# Altium PCB MIXR Power.PcbDoc (continued)
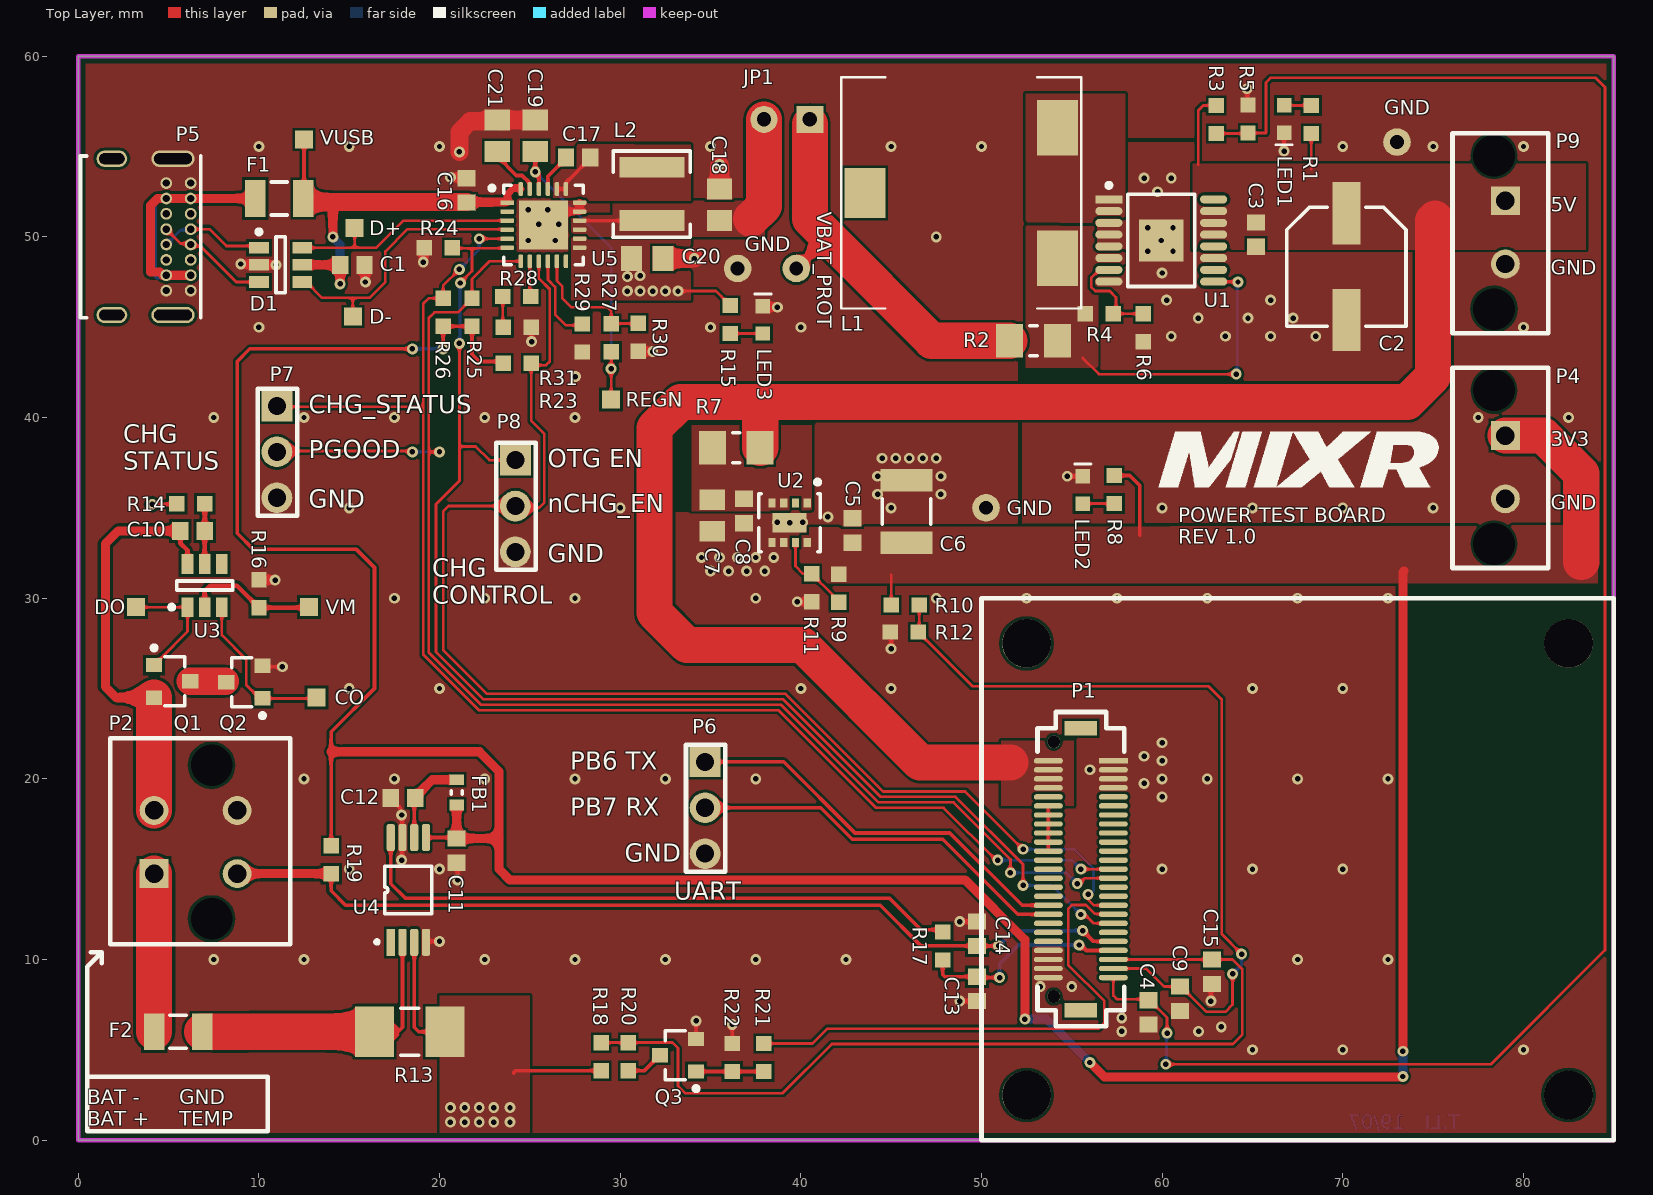
[diagram p0: Top Layer view]
## Part data (continued)
R4: Case/Package=0603, Case Code (Metric)=1608, Manufacturer=Vishay, Manufacturer Part Number=CRCW06031M54FKEA, Max Operating Temperature=155°C, Max Power Dissipation=100mW, Min Operating Temperature=-55°C, Package Quantity=10, Resistance=1.54M, Supplier Part Number 1=541-1.54MHCT-ND, Temperature Coefficient=100ppm/°C, Tolerance=1%, Voltage Rating=75V, Case Code (Imperial)=0603, ComponentLink1Description=https://datasheet.ciiva.com/7670/1697337-7670550.pdf?src-supplier=Element14, ComponentLink1URL=https://datasheet.ciiva.com/7670/1697337-7670550.pdf?src-supplier=Element14, ComponentLink2Description=https://datasheet.ciiva.com/7670/1697337-7670551.pdf?src-supplier=Element14, ComponentLink2URL=https://datasheet.ciiva.com/7670/1697337-7670551.pdf?src-supplier=Element14, ComponentLink3Description=https://datasheet.ciiva.com/5585/dcrcwe3-109170-5585144.pdf?src-supplier=Mouser, ComponentLink3URL=https://datasheet.ciiva.com/5585/dcrcwe3-109170-5585144.pdf?src-supplier=Mouser, ComponentLink4Description=https://datasheet.ciiva.com/22676/1700796-22676058.pdf?src-supplier=Element14, ComponentLink4URL=https://datasheet.ciiva.com/22676/1700796-22676058.pdf?src-supplier=Element14, ComponentLink5Description=https://datasheet.ciiva.com/22676/1847332-22676059.pdf?src-supplier=Element14, ComponentLink5URL=https://datasheet.ciiva.com/22676/1847332-22676059.pdf?src-supplier=Element14, ComponentLink6Description=https://datasheet.ciiva.com/2513/dcrcwe3-2513692.pdf?src-supplier=Digi-Key, ComponentLink6URL=https://datasheet.ciiva.com/2513/dcrcwe3-2513692.pdf?src-supplier=Digi-Key, ComponentLink7Description=https://datasheet.ciiva.com/2513/dcrcwe3-2513693.pdf?src-supplier=Digi-Key, ComponentLink7URL=https://datasheet.ciiva.com/2513/dcrcwe3-2513693.pdf?src-supplier=Digi-Key, ComponentLink8Description=https://datasheet.ciiva.com/2513/dcrcwe3-2513694.pdf?src-supplier=Digi-Key, ComponentLink8URL=https://datasheet.ciiva.com/2513/dcrcwe3-2513694.pdf?src-supplier=Digi-Key, Composition="Thick Film", Contact Plating=Tin, Depth=0.85mm, Features="Automotive AEC-Q200", Height=0.02inch, Lead Free="Lead Free", Length=1.55mm, Military Standard=Not, Number of Pins=2, Number of Terminations=2, Packaging="Tape and Reel", Power Rating=100mW, Pricing 1="1 = 0.10000, 10 = 0.04000, 100 = 0.01620, 1000 = 0.00729, 2500 = 0.00633 (USD)", Radiation Hardening=No, REACH SVHC=Unknown, RoHS=Yes, Stock 1=7311, Supplier 1=Digi-Key, Termination=SMD/SMT, Voltage Rating (DC)=75V, Weight=7.1E-05oz, Width=0.85mm
R6: "390 kOhms ±0.5% 0.1W, 1/10W Chip Resistor 0603 (1608 Metric) Thin Film", Case/Package=0603, Case Code (Metric)=1608, Manufacturer=Yageo, Manufacturer Part Number=RT0603DRE07390KL, Max Operating Temperature=155°C, Max Power Dissipation=100mW, Min Operating Temperature=-55°C, Resistance=390k, Supplier Part Number 1=311-2555-1-ND, Temperature Coefficient=50ppm/°C, Tolerance=0.5%, Case Code (Imperial)=0603, ComponentLink1Description=http://www.yageo.com/documents/recent/PYu-RT_1-to-0.01_RoHS_L_9.pdf?src-supplier=Digi-Key, ComponentLink1URL=http://www.yageo.com/documents/recent/PYu-RT_1-to-0.01_RoHS_L_9.pdf?src-supplier=Digi-Key, Composition="Thin Film", Features="Moisture Resistant", Height=0.022inch, Length=0.063inch, Number of Terminations=2, Packaging="Tape and Reel", Pricing 1="1 = 0.13000, 10 = 0.11900, 100 = 0.04580, 1000 = 0.02014, 2500 = 0.01740 (USD)", RoHS=Yes, Stock 1=4470, Supplier 1=Digi-Key, Width=0.031inch
R9: "510 kOhms ±0.5% 0.1W, 1/10W Chip Resistor 0603 (1608 Metric) Thin Film", Case/Package=0603, Case Code (Metric)=1608, Manufacturer=Yageo, Manufacturer Part Number=RT0603DRE07510KL, Max Operating Temperature=155°C, Max Power Dissipation=100mW, Min Operating Temperature=-55°C, Resistance=510k, Supplier Part Number 1=311-2610-1-ND, Temperature Coefficient=50ppm/°C, Tolerance=0.5%, Case Code (Imperial)=0603, ComponentLink1Description=http://www.yageo.com/documents/recent/PYu-RT_1-to-0.01_RoHS_L_9.pdf?src-supplier=Digi-Key, ComponentLink1URL=http://www.yageo.com/documents/recent/PYu-RT_1-to-0.01_RoHS_L_9.pdf?src-supplier=Digi-Key, Composition="Thin Film", Features="Moisture Resistant", Height=0.022inch, Length=0.063inch, Number of Terminations=2, Packaging="Tape and Reel", Pricing 1="1 = 0.13000, 10 = 0.11900, 100 = 0.04580, 1000 = 0.02014, 2500 = 0.01740 (USD)", RoHS=Yes, Stock 1=5404, Supplier 1=Digi-Key, Width=0.031inch
R11: "162 kOhms ±1% 0.1W, 1/10W Chip Resistor 0603 (1608 Metric) Moisture Resistant Thick Film", Case/Package=0603, Case Code (Metric)=1608, Manufacturer=Yageo, Manufacturer Part Number=RC0603FR-07162KL, Max Operating Temperature=155°C, Min Operating Temperature=-55°C, Power Rating=100mW, Resistance=162k, Supplier Part Number 1=311-162KHRCT-ND, Temperature Coefficient=100ppm/°C, Tolerance=1%, Voltage Rating=75V, Voltage Rating (DC)=50V, Case Code (Imperial)=0603, ComponentLink1Description=https://datasheet.ciiva.com/11819/0900766b80f96399-11819240.pdf?src-supplier=RSComponents, ComponentLink1URL=https://datasheet.ciiva.com/11819/0900766b80f96399-11819240.pdf?src-supplier=RSComponents, Composition="Thick Film", Depth=0.8mm, Height=0.45mm, Lead Free="Lead Free", Length=1.6mm, Military Standard=Not, Mount="Surface Mount", Packaging="Tape and Reel", Pricing 1="1 = 0.10000, 10 = 0.02400, 100 = 0.00970, 1000 = 0.00437, 2500 = 0.00379 (USD)", RoHS=Yes, Stock 1=328469, Supplier 1=Digi-Key, Termination=SMD/SMT, Weight=7.1E-05oz, Width=0.8mm
R13: "0.003 Ohm ±1% 1.5W Chip Resistor 2010 (5025 Metric) Current Sense, Moisture Resistant Metal Foil", Manufacturer 1="Stackpole Electronics Inc.", Manufacturer Part Number 1=CSNL2010FT3L00, Operating Temperature="-55°C ~ 170°C", Package / Case="2010 (5025 Metric)", Power (Watts)=1.5W, Resistance (Ohms)=0.003R, Supplier Device Package=2010, Supplier Part Number 1=CSNL2010FT3L00CT-ND, Temperature Coefficient=±50ppm/°C, Tolerance=±1%, Category=Resistors, ComponentLink1Description=https://www.seielect.com/Catalog/SEI-csnl.pdf, ComponentLink1URL=https://www.seielect.com/Catalog/SEI-csnl.pdf, Composition="Metal Foil", Description 1="RES SMD 0.003 OHM 1% 1.5W 2010", Failure Rate=-, Features="Current Sense, Moisture Resistant", Height - Seated (Max)="0.041\" (1.04mm)", Packaging="Cut Tape (CT)", Part Status=Active, Pricing 1="1=1.02, 10=0.844, 25=0.7232, 50=0.6508, 100=0.5665, 250=0.5062, 500=0.4098, 1000=0.33145 (CAD)", RoHS="RoHS Compliant", Size / Dimension="0.200\" L x 0.100\" W (5.08mm x 2.54mm)", Stock 1=18532, Supplier 1=Digi-Key
R14 R17 R29: "330 Ohms ±1% 0.1W, 1/10W Chip Resistor 0603 (1608 Metric) Automotive AEC-Q200, Moisture Resistant Thick Film", Manufacturer="TE Connectivity", Manufacturer Part Number=CRGCQ0603F330R, Supplier Part Number 1=A129682CT-ND, ComponentLink1Description=http://www.te.com/commerce/DocumentDelivery/DDEController?Action=srchrtrv&DocNm=1773204-3&DocType=DS&DocLang=English&src-supplier=Digi-Key, ComponentLink1URL=http://www.te.com/commerce/DocumentDelivery/DDEController?Action=srchrtrv&DocNm=1773204-3&DocType=DS&DocLang=English&src-supplier=Digi-Key, ComponentLink2Description=https://www.te.com/commerce/DocumentDelivery/DDEController?Action=srchrtrv&DocNm=1773204-3&DocType=DS&DocLang=English&src-supplier=Digi-Key, ComponentLink2URL=https://www.te.com/commerce/DocumentDelivery/DDEController?Action=srchrtrv&DocNm=1773204-3&DocType=DS&DocLang=English&src-supplier=Digi-Key, Pricing 1="1 = 0.10000, 10 = 0.03300, 100 = 0.01320, 1000 = 0.00595, 2500 = 0.00516 (USD)", RoHS=No, Stock 1=87700, Supplier 1=Digi-Key
R16: library part "RES 2.7K OHM 1% 1/10W 0603", "2.7 kOhms ±1% 0.1W, 1/10W Chip Resistor 0603 (1608 Metric) Automotive AEC-Q200, Moisture Resistant Thick Film", Manufacturer="TE Connectivity", Manufacturer Part Number=CRGCQ0603F2K7, Supplier Part Number 1=A129693CT-ND, ComponentLink1Description=http://www.te.com/commerce/DocumentDelivery/DDEController?Action=srchrtrv&DocNm=1773204-3&DocType=DS&DocLang=English&src-supplier=Digi-Key, ComponentLink1URL=http://www.te.com/commerce/DocumentDelivery/DDEController?Action=srchrtrv&DocNm=1773204-3&DocType=DS&DocLang=English&src-supplier=Digi-Key, ComponentLink2Description=https://www.te.com/commerce/DocumentDelivery/DDEController?Action=srchrtrv&DocNm=1773204-3&DocType=DS&DocLang=English&src-supplier=Digi-Key, ComponentLink2URL=https://www.te.com/commerce/DocumentDelivery/DDEController?Action=srchrtrv&DocNm=1773204-3&DocType=DS&DocLang=English&src-supplier=Digi-Key, Pricing 1="1 = 0.10000, 10 = 0.03300, 100 = 0.01320, 1000 = 0.00595, 2500 = 0.00516 (USD)", RoHS=No, Stock 1=137187, Supplier 1=Digi-Key
R21 R31: "RES SMD 40.2 OHM 0.5% 1/10W 0603", Manufacturer 1=Yageo, Manufacturer Part Number 1=RT0603DRE0740R2L, Operating Temperature="-55°C ~ 155°C", Package / Case="0603 (1608 Metric)", Power=1/10W, Resistance=40.2, Supplier Device Package=0603, Supplier Part Number 1=311-2576-1-ND, Temperature Coefficient=±50ppm/°C, Tolerance=±0.5%, ComponentLink1Description=http://www.yageo.com/documents/recent/PYu-RT_1-to-0.01_RoHS_L_7.pdf, ComponentLink1URL=http://www.yageo.com/documents/recent/PYu-RT_1-to-0.01_RoHS_L_7.pdf, Composition="Thin Film", Failure Rate=-, Height - Seated (Max)="0.022\" (0.55mm)", Packaging="Cut Tape (CT)", Part Status=Active, Size / Dimension="0.063\" L x 0.031\" W (1.60mm x 0.80mm)", Supplier 1=Digi-Key
R28: "220 Ohms ±1% 0.1W, 1/10W Chip Resistor 0603 (1608 Metric) Moisture Resistant Thick Film", Manufacturer=Yageo, Manufacturer Part Number=RC0603FR-07220RL, Operating Temperature="-55°C ~ 155°C", Package / Case="0603 (1608 Metric)", Power (Watts)=1/10W, Resistance=220, Supplier Device Package=0603, Supplier Part Number 1=311-220HRCT-ND, Temperature Coefficient=±100ppm/°C, Tolerance=±1%, Category=Resistors, ComponentLink1Description=http://www.yageo.com/documents/recent/PYu-RC_Group_51_RoHS_L_8.pdf, ComponentLink1URL=http://www.yageo.com/documents/recent/PYu-RC_Group_51_RoHS_L_8.pdf, Composition="Thick Film", Failure Rate=-, Features="Moisture Resistant", Height - Seated (Max)="0.022\" (0.55mm)", Packaging="Cut Tape (CT)", Part Status=Active, Pricing 1="1=0.15, 10=0.022, 100=0.0088, 1000=0.00392, 2500=0.0034 (CAD)", RoHS="RoHS Compliant", Size / Dimension="0.063\" L x 0.032\" W (1.60mm x 0.80mm)", Stock 1=1318812, Supplier 1=Digi-Key
U1: "Boost Switching Regulator IC Positive Fixed 5V 1 Output 3.6A (Switch) 16-PowerTSSOP (0.173\", 4.40mm Width)", Case/Package="HTSSOP EP", Current Rating=20mA, Manufacturer="Texas Instruments", Manufacturer Part Number=TPS61032PWPR, Max Input Voltage=5.5V, Max Operating Temperature=85°C, Max Output Current=1A, Min Input Voltage=1.8V, Min Operating Temperature=-40°C, Min Output Voltage=5V, Package Quantity=1, Quiescent Current=20uA, Supplier Part Number 1=296-14418-1-ND, Switching Frequency=600kHz, ComponentLink1Description=https://datasheet.ciiva.com/15113/getdatasheetpartid-188303-15113715.pdf?src-supplier=Verical, ComponentLink1URL=https://datasheet.ciiva.com/15113/getdatasheetpartid-188303-15113715.pdf?src-supplier=Verical, ComponentLink2Description=https://datasheet.ciiva.com/26896/tps61032pwpr-26896609.pdf?src-supplier=IIIC, ComponentLink2URL=https://datasheet.ciiva.com/26896/tps61032pwpr-26896609.pdf?src-supplier=IIIC, ComponentLink3Description=https://datasheet.ciiva.com/2026/tps61030-2026195.pdf?src-supplier=Digi-Key, ComponentLink3URL=https://datasheet.ciiva.com/2026/tps61030-2026195.pdf?src-supplier=Digi-Key, ComponentLink4Description=https://datasheet.ciiva.com/2026/tps61030-2026196.pdf?src-supplier=Digi-Key, ComponentLink4URL=https://datasheet.ciiva.com/2026/tps61030-2026196.pdf?src-supplier=Digi-Key, ComponentLink5Description=https://datasheet.ciiva.com/2026/tps61030-2026197.pdf?src-supplier=Digi-Key, ComponentLink5URL=https://datasheet.ciiva.com/2026/tps61030-2026197.pdf?src-supplier=Digi-Key, ComponentLink6Description=https://datasheet.ciiva.com/49118/1864381-49118279.pdf?src-supplier=Element14, ComponentLink6URL=https://datasheet.ciiva.com/49118/1864381-49118279.pdf?src-supplier=Element14, Efficiency=96%, Lead Free="Lead Free", Mount="Surface Mount", Nominal Output Voltage=5V, Number of Outputs=1, Number of Pins=16, Operating Supply Voltage=5.5V, Output Configuration=Positive, Output Current=1A, Output Type=Fixed, Output Voltage=5V, Packaging="Tape and Reel", Pricing 1="1 = 2.76000, 10 = 2.48100, 100 = 2.03260, 500 = 1.73032, 1000 = 1.45930 (USD)", Radiation Hardening=No, REACH SVHC="No SVHC", RoHS=Yes, Stock 1=5321, Supplier 1=Digi-Key, Synchronous Rectifier=Yes, Topology=Boost, Weight=0.002212oz, Width=4.4mm
U2: "Non-Isolated PoL Module DC DC Converter 1 Output 0.8 ~ 6V 2A 2.5V - 6V Input", Case/Package=Module, Manufacturer="Texas Instruments", Manufacturer Part Number=TPS82084SILR, Max Input Voltage=6V, Max Operating Temperature=125°C, Max Output Current=2A, Min Input Voltage=2.5V, Min Operating Temperature=-40°C, Min Output Voltage=800mV, Quiescent Current=17uA, Supplier Part Number 1=296-46279-1-ND, Switching Frequency=2.4MHz, ComponentLink1Description=http://www.ti.com/lit/ds/symlink/tps82084.pdf?src-supplier=Digi-Key, ComponentLink1URL=http://www.ti.com/lit/ds/symlink/tps82084.pdf?src-supplier=Digi-Key, ComponentLink2Description=http://www.ti.com/general/docs/lit/getliterature.tsp?genericPartNumber=TPS82084&&fileType=pdf&src-supplier=Avnet, ComponentLink2URL=http://www.ti.com/general/docs/lit/getliterature.tsp?genericPartNumber=TPS82084&&fileType=pdf&src-supplier=Avnet, Efficiency=95%, Lead Free="Lead Free", Max Output Voltage=6V, Mount="Surface Mount", Number of Outputs=1, Number of Pins=8, Operating Supply Voltage=6V, Output Configuration=Positive, Output Current=2A, Output Type=Adjustable, Output Voltage=6V, Packaging="Tape and Reel", Pricing 1="1 = 3.12000, 10 = 2.80400, 100 = 2.29770, 500 = 1.95602, 1000 = 1.64965 (USD)", RoHS=Yes, Stock 1=31772, Supplier 1=Digi-Key, Synchronous Rectifier=Yes
U3: "Battery Battery Protection IC Lithium Ion/Polymer SOT-26", Case/Package=SOT-23-6, Manufacturer=Diodes, Manufacturer Part Number=AP9101CK6-AETRG1, Max Operating Temperature=85°C, Min Operating Temperature=-40°C, Supplier Part Number 1=AP9101CK6-AETRG1DICT-ND, ComponentLink1Description=https://www.diodes.com/assets/Datasheets/AP9101C.pdf?src-supplier=Digi-Key, ComponentLink1URL=https://www.diodes.com/assets/Datasheets/AP9101C.pdf?src-supplier=Digi-Key, Fault Protection="Over Current", Number of Cells=1, Pricing 1="1 = 0.45000, 10 = 0.36300, 100 = 0.24720, 500 = 0.18540, 1000 = 0.13905 (USD)", RoHS=Yes, Stock 1=5917, Supplier 1=Digi-Key
U4: library part "IC CURRENT AMPLIFIER INA240 8-TSSOP", "Current Sense Amplifier 1 Circuit 8-TSSOP", Current - Supply=1.8mA, Manufacturer 1="Texas Instruments", Manufacturer Part Number 1=INA240A3PWR, Operating Temperature="-40°C ~ 125°C", Package / Case="8-TSSOP (0.173\", 4.40mm Width)", Supplier Device Package=8-TSSOP, Supplier Part Number 1=296-45090-1-ND, Voltage - Supply, Single/Dual (±)="2.7 V ~ 5.5 V", Amplifier Type="Current Sense", Category="Integrated Circuits (ICs)", ComponentLink1Description=http://www.ti.com/lit/ds/symlink/ina240.pdf, ComponentLink1URL=http://www.ti.com/lit/ds/symlink/ina240.pdf, Description 1="IC AMP CURRENT SENSE 8-TSSOP", Mounting Type="Surface Mount", Output Type=-, Packaging="Cut Tape (CT)", Part Status=Active, Pricing 1="1=3.79, 10=3.397, 100=2.7311, 500=2.24388, 1000=1.85921 (CAD)", RoHS="RoHS Compliant", Slew Rate="2 V/µs", Stock 1=1286, Supplier 1=Digi-Key
U5: "Charger IC Lithium Ion/Polymer 24-VQFN (4x4)", Manufacturer="Texas Instruments", Manufacturer Part Number=BQ25606RGER, Supplier Part Number 1=296-47743-1-ND, ComponentLink1Description=http://www.ti.com/lit/ds/symlink/bq25606.pdf?src-supplier=Digi-Key, ComponentLink1URL=http://www.ti.com/lit/ds/symlink/bq25606.pdf?src-supplier=Digi-Key, Number of Cells=1, Pricing 1="1 = 2.76000, 10 = 2.48100, 100 = 2.03260, 500 = 1.73032, 1000 = 1.45930 (USD)", RoHS=No, Stock 1=8983, Supplier 1=Digi-Key

## Free pads (board coordinates)
  round 2.7 hole 2.7: ""(52.5,2.5) ""(52.5,27.5) ""(82.5,2.5) ""(82.5,27.5)

## Via types
v1: diameter 0.6, hole 0.3, Top Layer to Bottom Layer, tented both sides, 198 vias
v2: diameter 0.6, hole 0.3, Top Layer to Bottom Layer, 11 vias

## Nets (pads, with @x,y where several pads share a name; then routed paths per layer and width w, separated by ;. In a path a pad name is that pad's centre, name@x,y a point inside that pad or via, vN(x,y) a via of type N, cw(c..) or ccw(c..) an arc to the next point about the centre after c; other vN are vias at no path point)
3V3: C5.1 C6.1 C11.1 FB1.2 P4.1 R8.1 R9.1 R10.1 R19.1 R23.1 R25.1 R26.1 U2.8 U4.5 | length 174.8
  Top Layer w0.15: R10.1 45,31.3
  Top Layer w0.2: R19.1 14,21.5 14,22.6 16.4,25 16.4,31.7 15.4,32.7 9.7,32.7 8.8,33.6 8.8,43.1 9.5,43.8 v1(18.5,43.8) ; U4.5 20.9,16.75 C11.1 ; v1(20.2,43.8) R26.1 R25.1 21.8,43.5 22.2,43.1 23.425,43.1 R23.1 ; R8.1 58.211,36.789 58.75,36.25 58.75,33.5
  Top Layer w0.5: 14,21.5 22.2,21.5 23.3,20.4 23.3,16.7 ; FB1.2 C11.1 23.3,16.7 ; v1(52.4,6.7) 52.4,11.1 49.1,14.4 23.9,14.4 23.3,15 23.3,16.7 ; v1(56,4.3) 56.802,3.498 73.298,3.498 v1(73.323,3.523) ; v1(73.323,4.923) 73.323,31.423 73.4,31.5
  Top Layer w2: P4.1 81.1,39 83.2,36.9 83.2,32
  Bottom Layer w0.2: v1(18.5,43.8) v1(20.2,43.8)
  Bottom Layer w0.5: v1(52.4,6.7) 53.6,6.7 v1(56,4.3) ; v1(73.323,3.523) v1(73.323,4.923)
5V0: C2.1 C3.1 P1.47 P1.48 P1.49 P1.50 P9.1 R1.1 R3.1 R7.1 U1.13 U1.14 U1.15 | length 94.7
  Top Layer w0.15: 62,54 62,57 62.275,57.275 R3.1 ; 68.25,53.75 R1.1
  Top Layer w2: 37.7,40.5 37.75,40.45 R7.1 ; 51.6,20.9 46.6,20.9 40.1,27.4 33.7,27.4 31.9,29.2 31.9,39.428 33.336,40.864 73.564,40.864 75,42.3 75,50.9 75.1,51
BAT_GND: C10.2 P2.2 Q1.2 U3.6 | length 23.5
  Top Layer w0.25: C10.2 5.655,33.045 6.05,32.65 U3.6
  Top Layer w0.5: Q1.2 2.1,24.5 1.5,25.1 1.5,33 2.229,33.729 C10.2
  Top Layer w2: P2.2 Q1.2
GND: C1.2 C2.2 C3.2 C4.2 C5.2 C6.2 C7.2 C8.2 C9.2 C11.2 C12.2 C13.2 C14.2 C15.2 C16.2 C18.2 C19.2 C20.2 C21.2 D1.2 GND.TH_TP LED1.2 LED2.2 LED3.2 P1.1 P1.2 P1.3 P1.4 P1.26 P1.27 P1.28 P1.29 P2.4 P4.2 P5.A1 P5.A12 P5.B1 P5.B12 P5.P1 P6.3 P7.3 P8.3 P9.2 Q2.2 Q3.2 R5.2 R6.2 R11.2 R12.2 R16.2 R22.2 R24.2 R29.2 R30.2 R31.2 U1.3 U1.4 U1.5 U1.8 U1.11 U1.17 U2.5 U2.6 U2.9 U4.4 U4.7 U5.17 U5.18 U5.25 | length 35.6
  Top Layer w0.15: Q2.2 10.25,26.2 v2(11.3,26.2) ; Q3.2 v2(34.2,6.6) ; R22.2 v2(36.2,6.4)
  Top Layer w0.2: C12.2 17.3,18.9 17.823,18.377 17.823,18.077 v1(17.9,18) 17.925,17.975 17.925,16.775 U4.7 17.925,16.725 17.925,15.525 v1(17.9,15.5) ; U4.4 19.3,11 v2(20,11) ; C11.2 21,15.3 v2(21,14.4) ; R31.2 25.1,44.975 v1(25.1,44.2) ; R12.2 45,28.075 v1(45,27.2) ; v1(48.8,7.7) C13.2 ; v1(48.8,12.1) C14.2 ; v1(54.75,36.75) 55.589,36.75 LED2.2 ; v1(62.7,7.7) 62.7,8.6 C15.2 ; v1(64.7,58.2) 64.7,57.35 R5.2 ; v1(66.75,54.75) LED1.2
  Top Layer w0.4: U5.25 26.5,51.4 U5.17 U5.18 ; v2(39.8,29.8) R11.2
  Top Layer w0.5: v1(9,48.5) 9.019,48.481 9.969,48.481 D1.2 v1(10.95,48.45) ; R16.2 10.02,31.014 10.886,31.014 v1(10.9,31) ; C1.2 15.881,48.419 15.881,47.519 v1(15.9,47.5) ; v2(19.1,48.6) 19.119,48.619 19.119,49.369 R24.2 ; v2(20.6,53.3) 20.619,53.281 21.469,53.281 C16.2 ; R29.2@27.888,43.613 R29.2 ; R30.2 31.012,43.662 31.788,43.662 v1(31.8,43.65) ; LED3.2 37.931,46.119 38.681,46.119 v1(38.7,46.1)
  Top Layer w1: v2(21.1,54.7) 21.1,55.814 21.686,56.4 23.125,56.4 C21.2 C19.2 ; C20.2 v2(34.1,48.8) ; C18.2 v2(35.5,54)
  other v1: 65,5 70,5 80,5 57.768,6.018 62.018,6.018 63.268,6.268 57.768,6.768 53.25,8.5 55,8.5 7.5,10 12.5,10 22.5,10 27.5,10 32.5,10 37.5,10 42.5,10 67.5,10 72.5,10 15,15 20,15 60,15 65,15 70,15 60,19 59,19.75 12.5,20 17.5,20 22.5,20 27.5,20 32.5,20 37.5,20 60,20 62.5,20 67.5,20 72.5,20 56,20.5 60,21 59,21.25 60,22 15,25 20,25 40,25 45,25 65,25 70,25 17.5,30 22.5,30 27.5,30 37.5,30 47.5,30 52.5,30 57.5,30 62.5,30 67.5,30 72.5,30 35,31.5 36,31.5 37,31.5 38,31.5 34.5,32.25 35.5,32.25 36.5,32.25 37.5,32.25 38.5,32.25 39.375,34.175 38.7,34.2 40.1,34.2 41.5,34.5 15,35 30,35 45,35 60,35 65,35 70,35 75,35 44.25,35.75 47.75,35.75 44.25,36.75 47.75,36.75 44.5,37.75 45.25,37.75 46,37.75 46.75,37.75 47.5,37.75 7.5,40 12.5,40 17.5,40 22.5,40 27.5,40 77.5,40 82.5,40 27.518,42.268 60.5,44.5 63.5,44.5 66,44.5 68.5,44.5 10,45 35,45 40,45 80,45 62,45.5 64.75,45.5 67.25,45.5 60.25,46.5 66,46.5 60,48 59.2,49.2 60.6,49.2 24.9,49.8 26.4,49.8 59.95,49.8 47.5,50 59.2,50.5 60.6,50.5 25.5,50.7 26.6,50.7 24.9,51.5 26,51.5 59.75,52.5 59,53.25 60.5,53.25 10,55 15,55 20,55 35,55 45,55 50,55 70,55 75,55 80,55
NetC7_1: C7.1 C8.1 R7.2 U2.1 U2.3 U2.4
NetC10_1: C10.1 R14.2 U3.5 | length 3.3
  Top Layer w0.25: U3.5 7,33.724 C10.1 R14.2
NetC12_1: C12.1 FB1.1 U4.6 | length 5
  Top Layer w0.2: U4.6 18.6,18.9 C12.1
  Top Layer w0.5: C12.1 18.65,19 19.6,19.95 FB1.1
NetC17_1: C17.1 L2.1 U5.19 U5.20 | length 2.8
  Top Layer w0.2: U5.20 U5.19 27.025,52.675 27.025,53.025 28.35,54.35 C17.1
NetC17_2: C17.2 U5.21 | length 2.2
  Top Layer w0.2: U5.21 26,53.35 27,54.35 C17.2
NetC18_1: C18.1 JP1.2 L2.2 U5.15 U5.16 | length 9.8
  Top Layer w0.2: U5.16 L2.2
  Top Layer w2: 37.25,51 37.96,51.71 JP1.2
NetC21_1: C21.1 U5.23 | length 2.7
  Top Layer w0.2: C21.1@23.25,54.4 24.25,53.4 24.57,53.4 24.975,52.995 24.975,52.675 U5.23
NetCO_TP: CO.TP Q2.1 U3.3 | length 9.3
  Top Layer w0.15: U3.3 7.95,27.95 9.3,26.6 9.3,25.2 Q2.1@10.05,24.45 ; Q2.1@9.8,24.45 Q2.1@10.05,24.45 ; CO.TP 13.15,24.45 Q2.1 Q2.1@10.05,24.45
NetD1_1: D1.1 P5.A6 P5.B6 | length 5.9
  Top Layer w0.154: P5.A6 7.275,50.425 8.2,49.5 9.9,49.5 D1.1
  Bottom Layer w0.154: P5.B6 5.669,50.369 6.169,50.369 P5.A6
NetD1_3: D1.3 P5.A7 P5.B7 | length 6.3
  Top Layer w0.154: P5.B7 5.669,49.631 6.169,49.631 P5.A7 6.32,49.48 6.77,49.48 8.75,47.5 D1.3
NetD1_4: D1.4 D-.TP U5.4 | length 15.3
  Top Layer w0.15: D1.4 12.625,47.5 13.5,46.625 15.2,46.625 ; D-.TP 15.2,46.625 ; U5.4 23.723,50.427 18.227,50.427 17,49.2 17,47.5 16.125,46.625 15.2,46.625
NetD1_6: D1.6 D+.TP U5.3 | length 13.1
  Top Layer w0.15: D1.6 15.3,49.4 ; D+.TP 15.3,49.4 ; U5.3 18,50.9 16.5,49.4 15.3,49.4
NetDO_TP: DO.TP Q1.1 U3.1 | length 6.8
  Top Layer w0.15: DO.TP U3.1 6.05,28.15 4.575,26.675 4.575,26.625 4.25,26.3 Q1.1
NetF1_1: F1.1 P5.A4 P5.A9 P5.B4 P5.B9 | length 20.4
  Top Layer w0.5: P5.A9 P5.B4 4.696,47.875 4.521,48.05 4,48.05 4,51.732 4.393,52.125 P5.B9 P5.A4 F1.1 F1.1@10.1,52.125
  Bottom Layer w0.5: P5.A9 P5.B4 4.846,47.904 4.393,47.904 4.1,48.197 4.1,51.832 4.393,52.125 P5.B9 P5.A4
NetF2_2: F2.2 R13.1 U4.2 | length 15.9
  Top Layer w0.2: R13.1@16.5,6 17.7,6 17.95,6.25 U4.2
  Top Layer w2: F2.2 R13.1@16.5,6
NetL1_1: L1.1 R2.2 R4.1 U1.6 U1.9 | length 15.4
  Top Layer w0.15: 55.6,43.3 56.5,42.4 v1(64.1,42.4) ; U1.9 62.863,47.512 64.188,47.512 v1(64.2,47.5)
  Bottom Layer w0.15: v1(64.1,42.4) 64.15,42.45 64.15,47.45 v1(64.2,47.5)
NetL1_2: L1.2 U1.1 U1.2
NetLED1_1: LED1.1 R1.2 | length 1.1
  Top Layer w0.15: 67.15,57.314 67.189,57.275 R1.2
NetLED2_1: LED2.1 R8.2 | length 1.8
  Top Layer w0.15: LED2.1 R8.2
NetLED3_1: LED3.1 R15.2 | length 1.8
  Top Layer w0.15: R15.2 LED3.1
NetP1_40: P1.40 P1.41 P1.42 P1.43 P1.44 P1.45 | length 2.5
  Top Layer w0.15: P1.40 P1.41 P1.42 P1.43 P1.44 P1.45
NetQ1_3: Q1.3 Q2.3 | length 2
  Top Layer w1: Q2.3@8.15,25.4 Q2.3
  Top Layer w1.5: Q1.3 Q2.3@8.15,25.4
NetQ3_1: Q3.1 R21.2 R22.1 | length 3.8
  Top Layer w0.2: Q3.1 R22.1 R21.2
NetQ3_3: Q3.3 R20.2 | length 2.1
  Top Layer w0.2: R20.2 31.35,3.85 Q3.3
NetR4_2: R4.2 R6.1 U1.7 | length 5.9
  Top Layer w0.15: U1.7 56.535,48.175 56.073,47.712 56.073,47.227 56.3,47 57.1,47 57.45,46.65 57.45,45.9 R4.2 R6.1
NetR9_2: R9.2 R11.1 U2.7 | length 4.6
  Top Layer w0.15: U2.7 39.7,31.775 40.125,31.35 R11.1 41.75,30.2 41.75,30.125 R9.2
NetR16_1: R16.1 U3.2 VM.TP | length 7.3
  Top Layer w0.25: U3.2 7,30.4 7.3,30.7 8.784,30.7 R16.1 12.759,29.479 VM.TP
NetR17_1: R17.1 U4.8 | length 34.2
  Top Layer w0.2: U4.8 17.3,14.2 18.1,13.4 44.9,13.4 46.65,11.65 47.725,11.65 R17.1
NetR27_2: R27.2 R30.1 U5.11 | length 7.4
  Top Layer w0.15: U5.11 26.5,47.555 26.8,47.255 26.8,46.6 27.3,46.1 29.3,46.1 29.5,45.9 R27.2 30.975,45.2 R30.1
NetR28_1: R28.1 U5.8 | length 2
  Top Layer w0.15: U5.8 25,46.75 R28.1
NetR28_2: R28.2 R31.1 | length 1.5
  Top Layer w0.15: R31.1@23.5,45.15 R28.2
NetR29_1: R29.1 U5.10 | length 5.4
  Top Layer w0.15: U5.10 26,47.628 26.402,47.225 26.402,45.698 27,45.1 27.85,45.1 R29.1@28.075,45.325 ; R29.1 27.775,45.175 R29.1@27.9,45.3
PA0_5V0_MONITOR: C4.1 P1.25 R3.2 R5.1 | length 106.4
  Top Layer w0.15: P1.25 57.3,8 57.5,7.8 59.2,7.8 C4.1 59.3,7.75 60.273,6.777 v1(60.273,5.927) ; v1(60.2,4.2) 78.2,4.2 84.519,10.519 84.519,58.281 84,58.8 66,58.8 65.75,58.55 65.75,55.75 R5.1 64.725,55.725 R3.2
  Bottom Layer w0.15: v1(60.2,4.2) 60.236,4.236 60.236,5.891 v1(60.273,5.927)
PA1_3V3_MONITOR: C9.1 P1.24 R10.2 R12.1 | length 45.2
  Top Layer w0.15: R10.2 46.55,28.175 R12.1 49.5,25.125 62.575,25.125 63.3,24.4 63.3,11.4 v1(64.4,10.3) ; P1.24 59.1,9.5 60.1,8.5 C9.1 61.05,8.5 62.45,7.1 63.5,7.1 63.9,7.5 v1(63.9,9.2)
  Bottom Layer w0.15: v1(63.9,9.2) 64.4,9.7 v1(64.4,10.3)
PA2_BAT_VOLTAGE_MONITOR: C15.1 P1.23 R18.2 R20.1 | length 50.2
  Top Layer w0.15: R18.2 R20.1 32.9,5.4 33.2,5.1 33.2,3 33.6,2.6 39,2.6 41.717,5.317 63.917,5.317 64.427,5.827 64.427,9.473 63.9,10 C15.1 P1.23
PA3_BAT_CURRENT_MONITOR: C13.1 P1.22 R17.2 | length 11.7
  Top Layer w0.2: R17.2 47.85,9.167 47.967,9.05 C13.1 49.85,8.95 49.9,9 v1(51,9) ; v1(55.4,10.8) 55.508,10.8 55.808,10.5 P1.22
  Bottom Layer w0.2: v1(51,9) 51,9.75 52.05,10.8 v1(55.4,10.8)
PA4_BAT_TEMP_MONITOR: C14.1 P1.21 P2.3 R19.2 | length 51.3
  Top Layer w0.2: R19.2 14,13.8 14.8,13 44.4,13 46.65,10.75 C14.1 v1(50.95,10.75) ; v1(55.6,11.6) 56.2,11 P1.21
  Top Layer w0.5: P2.3 R19.2
  Bottom Layer w0.2: v1(50.95,10.75) 51.8,11.6 v1(55.6,11.6)
PA5/AN5/SPI1_SCK_2: P1.20
PA6_OTG_EN: P1.19 P8.1 R24.1 U5.6 | length 74.3
  Top Layer w0.15: R24.1 20.727,49.373 21.8,49.373 ; v1(21.1,44.1) 21.1,38.4 ; v1(21.158,47.448) 21.158,47.458 21.8,48.1 21.8,49.373 ; U5.6 23.723,49.373 21.8,49.373 ; P8.1 22.76,37.64 22,38.4 21.1,38.4 ; v1(52.3,14.1) 52.3,15.274 48.571,19.002 44.425,19.002 39.025,24.402 22.425,24.402 19.8,27.028 19.8,35.2 21.1,36.5 21.1,38.4 ; v1@55.3,12.491 v1(55.5,12.491) 55.725,12.491 56.216,12 P1.19
  Bottom Layer w0.15: v1(21.1,44.1) 21.129,44.129 21.129,47.419 v1(21.158,47.448) ; v1(52.3,14.1) 53.891,14.1 v1(55.5,12.491)
PA7_BAT_VOLTAGE_MONITOR_EN: P1.18 R21.1 | length 29.3
  Top Layer w0.15: R21.1 40.65,5.35 41.473,6.173 56.473,6.173 56.8,6.5 56.8,7.7 54.8,9.7 54.8,12.8 55.018,13.018 55.782,13.018 56.275,12.525 57.275,12.525 P1.18@57.281,12.519
  Top Layer w0.2: P1.18@57.281,12.519 P1.18
PA8_2: P1.7
PA8_nCHARGE_EN: P1.17 P8.2 R23.2 U5.9 | length 73.1
  Top Layer w0.15: R23.2 25.075,39.825 25.8,39.1 25.8,35.3 25.5,35 24.3,35 P8.2 20.5,35.1 20.2,34.8 20.2,27.128 22.623,24.705 39.151,24.705 44.551,19.305 49.095,19.305 v1(52.3,16.1) ; R23.2@25.075,43.3 25.475,42.9 25.9,42.9 26.1,43.1 26.1,47.1 25.5,47.7 U5.9 ; v1(55.9,13.6) 55.9,13.32 55.907,13.32 56.228,13 P1.17
  Bottom Layer w0.15: v1(52.3,16.1) 55.146,16.1 56.2,15.046 56.2,13.8 56,13.6 v1(55.9,13.6)
PA9_2: P1.6
PA10_2: P1.5
PA15/LED_RED_2: P1.39
PB1/AN9_2: P1.16
PB2_2: P1.15
PB3/LED_GREEN_2: P1.38
PB4/LED_BLUE_2: P1.37
PB5/LED_BLUE_2: P1.36
PB6/USART1_TX_2: P1.34 P6.1 | length 22.3
  Top Layer w0.2: P6.1 39.06,20.94 43,17 45.29,17 48.25,17 52.25,13 P1.34
PB7/USART1_RX_2: P1.33 P6.2 | length 21.4
  Top Layer w0.2: P6.2 41.1,18.4 42.852,16.648 47.852,16.648 52,12.5 P1.33
PB8/I2C1_SCL_2: P1.32
PB9/I2C1_SDA_2: P1.31
PB10_POWER_GOOD: P1.14 P7.2 R25.2 U5.7 | length 78.9
  Top Layer w0.15: P7.2@11,38.15 18.45,38.15 v1(18.5,38.1) ; v1(20,38.1) 19.405,38.1 ; U5.7 22.778,48.65 21.8,47.672 R25.2 21.025,45.825 19.727,45.825 19.405,45.502 19.405,38.1 ; v1(51.6,14.8) 51.6,15.546 48.446,18.7 44.3,18.7 38.9,24.1 22.3,24.1 19.405,26.995 19.405,38.1 ; v1(55.3,14.2) 55.422,14.2 55.722,14.5 P1.14
  Bottom Layer w0.15: v1(18.5,38.1) v1(20,38.1) ; v1(51.6,14.8) 54.7,14.8 v1(55.3,14.2)
PB11_CHARGER_STATUS: P1.13 P7.1 R26.2 U5.5 | length 77.6
  Top Layer w0.15: P7.1@11,40.6 19.102,40.6 ; v1(21.1,48.2) 20.2,47.3 R26.2 19.4,46.6 19.1,46.3 19.1,43.628 19.102,43.625 19.102,40.6 ; v1(22.2,49.9) U5.5 ; v1(50.9,15.5) 50.8,15.5 47.902,18.398 44.175,18.398 38.775,23.798 22.175,23.798 19.1,26.872 19.1,35.7 19.102,35.702 19.102,40.6 ; v1(55.5,15) P1.13
  Bottom Layer w0.15: v1(21.1,48.2) 22.2,49.3 v1(22.2,49.9) ; v1(50.9,15.5) 55,15.5 v1(55.5,15)
PB12/SPI2_NSS_2: P1.11
PB13/SPI2_SCK_2: P1.10
PB14/SPI2_MISO_2: P1.9
PB15/SPI2_MOSI_2: P1.8
PC13_2: P1.30
REGN: C19.1 R27.1 REGN.TP U5.22 | length 17.2
  Top Layer w0.15: REGN.TP v1(29.5,42.7) R27.1
  Top Layer w0.2: C19.1@25.25,54.4 25.3,54.45 v1(25.3,53.6) 25.5,53.4 U5.22
  Bottom Layer w0.15: v1(25.3,53.6) 29.5,49.4 v1(29.5,42.7)
V_USB: C1.1 C16.1 D1.5 F1.2 U5.1 U5.24 VUSB.TP | length 23.7
  Top Layer w0.2: F1.2 12.5,52.165 VUSB.TP
  Top Layer w0.4: U5.1 23.766,51.916 23.766,52.366 24.1,52.7 24.45,52.7 U5.24
  Top Layer w0.5: D1.5 C1.1 v1(14.5,47.4) ; v1(14.1,50) 14.1,51.927 ; C16.1@21.527,51.927 U5.1@23.625,51.927
  Top Layer w1: F1.2 12.658,51.927 14.1,51.927 C16.1@21.527,51.927
  Bottom Layer w0.5: v1(14.1,50) 14.1,49.973 14.5,49.573 v1(14.5,47.4)
VBAT: C20.1 R13.2 R14.1 R15.1 R18.1 U4.3 U5.13 U5.14 | length 16.1
  Top Layer w0.15: v1(33.2,47) 35.3,47 R15.1
  Top Layer w0.2: v1(4.1,35.2) 5.426,35.2 R14.1 ; U4.3 18.6,6.25 18.85,6 R13.2 R13.2@20.4,6 ; 24.1,3.7 24.1,3.733 24.217,3.85 R18.1
  other v1: 20.6,1 21.4,1 22.2,1 23,1 23.9,1 20.6,1.8 21.4,1.8 22.2,1.8 23,1.8 23.9,1.8 30.4,47 31.1,47 31.8,47 32.5,47 30.4,47.8 31.1,47.85
VBAT_CELL: F2.1 P2.1 | length 8.7
  Top Layer w2: F2.1 P2.1
VBAT_PROT: JP1.1 R2.1 VBAT_PROT.TH_TP | length 21.6
  Top Layer w0.2: VBAT_PROT.TH_TP 41.5,50
  Top Layer w2: JP1.1@40.5,56.25 40.5,51 41.5,50 47.25,44.25 R2.1
pads on no net: L1.3 P1. P1.12 P1.35 P1.46 P2. P4. P5.A5 P5.A8 P5.B5 P5.B8 P5.P2 P5.P3 P5.P4 P9. U1.10 U1.12 U1.16 U2.2 U3.4 U4.1 U5.2 U5.12

## Polygon pours and split planes (outlines as drawn)
GND on Top Layer "Top Layer-GND 2" (solid, remove dead copper, pour order 32): 0,0 0,60 85,60 85,0
NetL1_2 on Top Layer "NETL1_2_L01_P008" (solid, pour order 8): 52.45,57.914 52.45,44.7 56.35,44.7 56.45,44.8 56.45,51.05 57.95,51.05 57.95,57.914
NetL1_1 on Top Layer "Top Layer-NetL1_1" (solid, pour order 6): 52.45,50.65 52.45,42.75 56.35,42.75 56.45,42.85 56.45,47.95 57.95,47.95 57.95,50.55
NetC18_1 on Top Layer "Top Layer-VBAT_PROT" (solid, pour order 2): 27.3,51.2 29.6,51.2 29.6,52 38,52 38,50 27.5,50 27.3,50.2
3V3 on Top Layer "3V3_L01_P014" (solid, pour order 14): 39.35,33.93 39.35,30.825 84.1,30.825 84.1,34.039
5V0 on Top Layer "Top Layer-5V0" (solid, pour order 10): 61.7,49.3 83.45,49.3 83.45,54.05 61.7,54.05
5V0 on Top Layer "5V0_L01_P028" (solid, pour order 28): 51.1,22.1 55.1,22.1 55.1,18.5 51.1,18.5
GND on Top Layer "Top Layer-GND" (solid, remove dead copper, pour order 26): 56.5,54 71.5,54 71.5,43.5 71,43 56.5,43
GND on Top Layer "Top Layer-GND 1" (solid, pour order 24): 33.5,35 43.6,35 43.6,37.9 43.5,38 44,38.5 48.5,38.5 48.5,31.5 48,31 33.5,31
VBAT on Top Layer "Top Layer-VBAT" (solid, pour order 16): 20,8 25,8 25,0 20,0
NetC7_1 on Top Layer "NETC7_1_L01_P012" (solid, pour order 12): 33.975,34.825 40.6,34.825 40.6,39.575 33.975,39.575
VBAT on Top Layer "VBAT_L01_P004" (solid, pour order 4): 27.3,50.2 29.6,50.2 33.9,50.2 33.9,46.5 27.3,46.5
NetC17_1 on Top Layer "NETC17_1_L01_P000" (solid, pour order 0): 26.325,55.15 26.3,55.125 26.3,52 33.9,52 33.9,55.1
GND on Bottom Layer "GND_L02_P030" (solid, pour order 30): 0,60 0,0 85,0 85,60
VBAT on Bottom Layer "VBAT_L02_P022" (solid, pour order 22): 33.5,60.5 33.5,46.5 30,46.5 30,60.5
VBAT on Bottom Layer "VBAT_L02_P018" (solid, pour order 18): 4.5,4 4.5,55.5 33.5,55.5 33.5,60.5 0,60.5 0,4
VBAT on Bottom Layer "VBAT_L02_P020" (solid, pour order 20): 0.5,0 25,0 25,8.5 1,8.5 0.5,9

## Keep-outs
Keep-Out Layer:
  the board outline again, w0.254

## Other copper
Top Layer:
  pour cut-out: 51.96,43.173 52,43.133 52,42 52.5,42 52.452,42.048 52.452,43.173
  pour cut-out: 58,55.5 61.75,55.5 61.75,55.25 58,55.25
  pour cut-out: 33.81,34.825 33.735,34.75 33,34.75 33,35 33.81,35
  pour cut-out: 52,39.75 52,34.25 52.25,34.25 52.25,39.75
Bottom Layer:
  text "T.LI   19/07" at 76.5,0.6 h0.8

## Silkscreen, mask and mechanical layers (free items; w line width, h text height)
Top Overlay:
  drawing of 19 lines, arcs and shapes, not listed
  text "5V" at 81.5,51.4 h0.8
  text "GND" at 81.5,47.9 h0.8
  text "CHG_STATUS" at 12.75,40.25 h1
  text "3V3" at 81.5,38.4 h0.8
  text "PGOOD" at 12.75,37.75 h1
  text "OTG EN" at 26,37.25 h1
  text "CHG / STATUS" at 2.5,37.1 h1
  text "GND" at 12.75,35 h1
  text "GND" at 81.5,34.9 h0.8
  text "nCHG_EN" at 26,34.75 h1
  text "POWER TEST BOARD / REV 1.0" at 60.9,33 h0.8
  text "GND" at 26,32 h1
  text "CHG  / CONTROL" at 19.6,29.7 h1
  text "PB6 TX" at 27.25,20.5 h1
  text "PB7 RX" at 27.25,17.96 h1
  text "GND" at 30.249,15.42 h1
  text "UART" at 33,13.3 h1
  text "BAT - / BAT +" at 0.5,0.8 h0.8
  text "GND / TEMP" at 5.6,0.8 h0.8

## Text inside footprints (layer, text, board x,y; h text height)
P5: Mechanical 16 ">PCB Edge" at 0.125,44.3 h1.57 r270